# Altium PCB PCB1.PcbDoc (part 1 of 2) (continued)
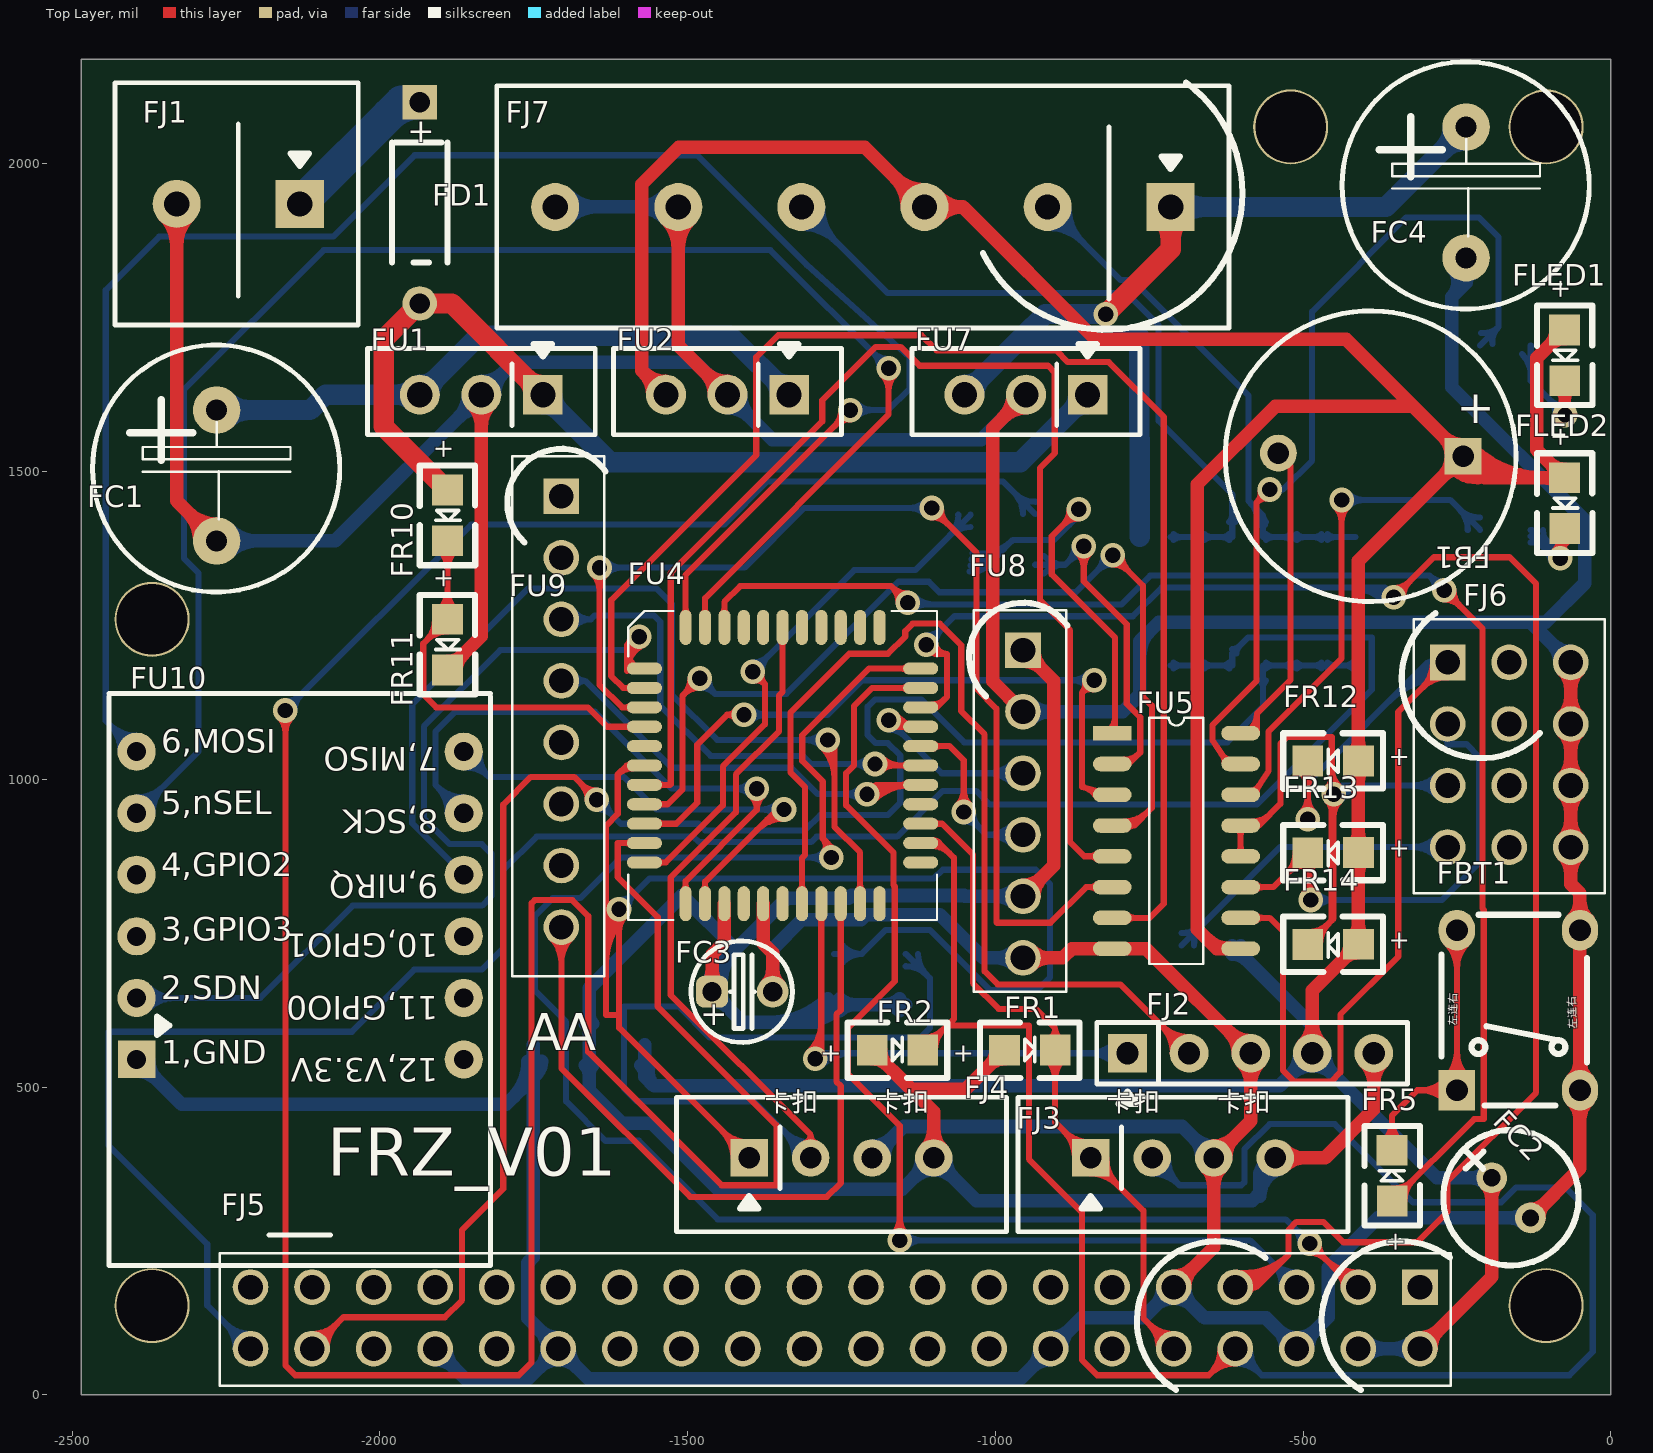
[diagram p0: Top Layer view]
## Footprints (in the part's own frame and the unit in brackets; to place one, negate y for a bottom-side part, rotate by r counter-clockwise, add the part's x,y. Pads: shape width x height; smd on the part's side, far side on the other; paste and mask are expansions set on the pad) (continued)
PI_CONNECTOR [mil] "pi3上的4"
  rect 58x58 hole 40: 1(0,0)
  round 58 hole 40: 2(100,0) 3(0,-100) 4(100,-100) 5(0,-200) 6(100,-200) 7(0,-300) 8(100,-300) 9(0,-400) 10(100,-400) 11(0,-500) 12(100,-500) 13(0,-600) 14(100,-600) 15(0,-700) 16(100,-700) 17(0,-800) 18(100,-800) 19(0,-900) 20(100,-900) 21(0,-1000) 22(100,-1000) 23(0,-1100) 24(100,-1100) 25(0,-1200) 26(100,-1200) 27(0,-1300) 28(100,-1300) 29(0,-1400) 30(100,-1400) 31(0,-1500) 32(100,-1500) 33(0,-1600) 34(100,-1600) 35(0,-1700) 36(100,-1700) 37(0,-1800) 38(100,-1800) 39(0,-1900) 40(100,-1900)
  silkscreen extent -75,-1950 167,50
RESIST_1 [mil]
  rect 56x56 hole 33: 1(0,0)
  round 56 hole 33: 2(0,-326.77)
  silkscreen extent -45,-260 45,-65
SENSOR6PIN [mil] "6Õë´"
  rect 58x58 hole 40: 1(0,0)
  round 58 hole 40: 2(100,0) 3(200,0) 4(300,0) 5(400,0) 6(500,0)
  silkscreen extent -77,-88 555,72
SENSOR8PIN [mil] "8Õë´"
  rect 58x58 hole 40: 1(-500,0)
  round 58 hole 40: 2(-400,0) 3(-300,0) 4(-200,0) 5(-100,0) 6(0,0) 7(100,0) 8(200,0)
  silkscreen extent -577,-88 280,72
SOP16_SHORT [mm]
  rect 1.6x0.6 smd: 1(0,0)
  oval 1.6x0.6 smd: 2(0,-1.27) 3(0,-2.54) 4(0,-3.81) 5(0,-5.08) 6(0,-6.35) 7(0,-7.62) 8(0,-8.89) 9(5.3,-8.89) 10(5.3,-7.62) 11(5.3,-6.35) 12(5.3,-5.08) 13(5.3,-3.81) 14(5.3,-2.54) 15(5.3,-1.27) 16(5.3,0)
  silkscreen extent 1.54,-9.53 3.76,0.64
SOT223_4N_1 [mm]
  rect 2.4x1 smd: 1(-2.9,2.3) 2(-2.9,0) 3(-2.9,-2.3)
  rect 2.4x3.3 smd: 4(2.9,0)
  silkscreen extent -3.02,-3.35 1.4,3.47, body extent -1.85,-3.35 1.85,3.35, height 1.8
TO220_1 [mil]
  rect 64x64 hole 41: 1(0,0)
  round 65 hole 41: 2(100,0) 3(200,0)
  silkscreen extent -85,-82 285,65
XH_P4 [mm]
  rect 1.55x1.55 hole 0.889: 1(0,0)
  round 1.55 hole 0.889: 2(2.54,0) 4(7.62,0)
  round 1.55 hole 0.864: 3(5.08,0)
  silkscreen extent -3,-3.05 10.62,2.5
ZY4463_01 [mil]
  rect 61x61 hole 31: 1(500,0)
  round 62 hole 31: 2(400,0) 3(300,0) 4(200,0) 5(100,0) 6(0,0) 7(0,531.5) 8(100,531.5) 9(200,531.5) 10(300,531.5) 11(400,531.5) 12(500,531.5)
  silkscreen extent -94,-45 835,575

## Part data
FB1: library part CON2, "Connec"
FBT1: library part HEADER
FJ1 FJ3 FJ4: library part C
FJ2: library part CON5
FJ5: library part PI_CONNECTOR
FJ7: library part PORT
FU1 FU2 FU7: library part CON3
FU3: library part CON3, "Connec"
FU5 FU6: library part DI
FU10: library part CO, "Connector"

## Free pads (board coordinates)
  round 122 hole 115: 0(-2370,145) 0(-2370,1260) 0(-520,2060) 0(-105,145) 0(-105,2060)

## Via types
v1: diameter 40, hole 25, Top Layer to Bottom Layer, 38 vias

## Nets (pads, with @x,y where several pads share a name; then routed paths per layer and width w, separated by ;. In a path a pad name is that pad's centre, name@x,y a point inside that pad or via, vN(x,y) a via of type N, cw(c..) or ccw(c..) an arc to the next point about the centre after c; other vN are vias at no path point)
NetFB1_1: FB1.1 FC2.1 FJ2.4 FJ5.2 FJ5.4 FJ7.3 FLED1.1 FLED2.1 FR12.1 FR13.1 FR14.1 FR15.1 FU2.3 FU3.3 FU5.9 | length 8873
  Top Layer w22: FU2.3@-1556.5,1625 ccw(c-1608.41,1625) -1571.7,1661.7 ccw(c-1535,1698.41) FU2.3@-1535,1646.5 ; FU2.3@-1535,1625 -1574.29,1664.29 -1574.29,1966.99 -1514.29,2026.99 -1211.99,2026.99 FJ7.3@-1115,1930 -1052.51,1930 ; FJ7.3@-1143,1930 ccw(c-1210.6,1930) -1162.8,1977.8 ccw(c-1115,2025.6) FJ7.3@-1115,1958 ; FJ7.3@-1094.1,1911.36 cw(c-1052.51,1874.27) -1052.51,1930 ; FJ7.3@-1094.1,1948.64 ccw(c-1052.51,1985.73) -1052.51,1930 ; -655.32,740.02 ccw(c-621.02,774.31) FU5.9@-621.02,725.81 ; FU5.9@-601.34,725 -640.3,725 -671.83,756.53 -671.83,1479.45 -545.29,1605.99 -320.99,1605.99 ; FJ2.4@-499.5,569.5 ccw(c-534.49,604.49) -485,604.49 ccw(c-435.51,604.49) FJ2.4@-470.5,569.5 ; FJ2.4@-485,555 -485,657 FR14.1@-410,732 FR13.1@-410,881 FR12.1@-410,1030 -410,1355 FB1.1@-240,1525 ; FR14.1@-424,732 cw(c-457.8,732) -433.9,708.1 cw(c-410,684.2) FR14.1@-410,718 ; FR14.1@-419.9,741.9 ccw(c-443.8,765.8) -410,765.8 ccw(c-376.2,765.8) FR14.1@-400.1,741.9 ; FR13.1@-419.9,871.1 cw(c-443.8,847.2) -410,847.2 cw(c-376.2,847.2) FR13.1@-400.1,871.1 ; FR13.1@-419.9,890.9 ccw(c-443.8,914.8) -410,914.8 ccw(c-376.2,914.8) FR13.1@-400.1,890.9 ; FR12.1@-419.9,1020.1 cw(c-443.8,996.2) -410,996.2 cw(c-376.2,996.2) FR12.1@-400.1,1020.1 ; FR12.1@-419.9,1039.9 ccw(c-443.8,1063.8) -410,1063.8 ccw(c-376.2,1063.8) FR12.1@-400.1,1039.9 ; FJ5.2@-310,75 -193.4,191.6 FC2.1@-193.4,352.67 ; FJ5.2@-310,93 ccw(c-310,136.46) -279.27,105.73 ccw(c-248.54,75) FJ5.2@-292,75 ; FB1.1@-257.68,1507.32 ccw(c-215.86,1549.14) -215.86,1490 ; FB1.1@-242.12,1522.88 ccw(c-162.75,1602.25) -162.75,1490 ; FB1.1@-240,1544 cw(c-240,1589.87) -272.44,1557.44 cw(c-304.87,1525) -259,1525 cw(c-304.87,1525) -272.44,1492.56 cw(c-240,1460.13) -240,1506 cw(c-240,1460.13) -207.56,1492.56 cw(c-175.13,1525) FB1.1@-221,1525 ; FB1.1@-226.56,1538.44 ccw(c-109.63,1655.37) -109.63,1490 ; FC2.1@-203.3,342.77 cw(c-227.2,318.87) -193.4,318.87 cw(c-159.6,318.87) FC2.1@-183.5,342.77 ; FLED2.1@-89,1490 ccw(c-122.8,1490) -98.9,1513.9 ccw(c-75,1537.8) FLED2.1@-75,1504 ; FLED1.1@-89,1730 cw(c-122.8,1730) -98.9,1706.1 cw(c-75,1682.2) FLED1.1@-75,1716 ; FLED2.1@-84.9,1480.1 ccw(c-108.8,1456.2) -108.8,1490 ccw(c-108.8,1523.8) FLED2.1@-84.9,1499.9 ; FLED1.1@-75,1730 -120.29,1684.71 -120.29,1535.29 FLED2.1@-75,1490 -205,1490 FB1.1@-240,1525 ; -1052.51,1930 -837.54,1715.04 -430.04,1715.04 -320.99,1605.99 ; -320.99,1605.99 FB1.1@-240,1525
  Bottom Layer w22: FU3.3@-1575.59,535.48 cw(c-1590.42,520.65) -1569.45,520.65 cw(c-1548.48,520.65) FU3.3@-1563.31,535.48 ; FU3.3@-1569.45,569.18 -1569.45,517.15 -1554.29,501.99 ; FU3.3@-1561.44,538.26 ccw(c-1530.83,525.45) -1554.29,501.99 ; FR15.1@-615,716 cw(c-615,682.2) -591.1,706.1 cw(c-567.2,730) FR15.1@-601,730 ; FR15.1@-615,730 -485,600 ; FJ2.4@-505.5,555 cw(c-554.99,555) -520,520 cw(c-485,485.01) -485,534.5 cw(c-485,485.01) -450,520 cw(c-415.01,555) FJ2.4@-464.5,555 ; FJ2.4@-498.45,570.47 ccw(c-524.14,600) -485,600 ; FJ2.4@-471.55,570.47 cw(c-445.86,600) -485,600 ; FJ5.4@-410,75 FJ5.2@-310,75 ; FJ5.4@-397.27,62.27 cw(c-366.54,31.54) -366.54,75 cw(c-366.54,118.46) FJ5.4@-397.27,87.73 ; FJ5.2@-322.73,62.27 ccw(c-353.46,31.54) -353.46,75 ccw(c-353.46,118.46) FJ5.2@-322.73,87.73 ; FC2.1@-203.3,342.77 ccw(c-227.2,318.87) -227.2,352.67 ccw(c-227.2,386.46) FC2.1@-203.3,362.57 ; FC2.1@-193.4,352.67 -282.67,352.67 FJ2.4@-485,555 ; -1554.29,501.99 -538.01,501.99 FJ2.4@-485,555 ; FJ2.4@-485,555 -485,600
NetFB1_2: FB1.2 FU5.16 | length 554.2
  Top Layer w10: FU5.16@-601.34,1075 -574.84,1075 -574.84,1106.99 ; FU5.16@-586.37,1079.91 ccw(c-612.4,1106.99) -574.84,1106.99 ; FB1.2@-540,1530.12 -540,1509.44 -520.29,1509.44 -520.29,1161.54 -574.84,1106.99
NetFBT1_1: FBT1.1 FBT1.3 FR5.2 | length 959.1
  Top Layer w10: FR5.2@-369.34,411.44 ccw(c-403.48,445.58) -355.2,445.58 ccw(c-306.92,445.58) FR5.2@-341.06,411.44 ; FR5.2@-355.2,397.3 -355.2,454.09 -314.29,495 FBT1.1@-250,495 FBT1.3@-250,755 ; FBT1.1@-267.34,477.66 ccw(c-309.21,435.79) -309.21,495 ccw(c-309.21,554.21) FBT1.1@-267.34,512.34 ; FBT1.1@-267.34,515.82 ccw(c-309.21,557.69) -250,557.69 ccw(c-190.79,557.69) FBT1.1@-232.66,515.82 ; FBT1.3@-267.34,734.18 cw(c-309.21,692.31) -250,692.31 cw(c-190.79,692.31) FBT1.3@-232.66,734.18 ; FBT1.1@-260.27,484.73 ccw(c-285.07,459.93) -285.07,495 ccw(c-285.07,530.07) FBT1.1@-260.27,505.27 ; FBT1.1@-260.27,508.74 ccw(c-285.07,533.54) -250,533.54 ccw(c-214.93,533.54) FBT1.1@-239.73,508.74 ; FBT1.3@-260.27,741.26 cw(c-285.07,716.46) -250,716.46 cw(c-214.93,716.46) FBT1.3@-239.73,741.26
NetFBT1_2: FBT1.2 FBT1.4 FC1.2 FC2.2 FC3.2 FC4.2 FJ1.2 FJ2.3 FJ3.3 FJ4.3 FJ5.6 FJ5.9 FJ5.14 FJ5.30 FJ5.34 FJ6.3 FJ6.6 FJ6.9 FJ6.12 FJ7.5 FJ7.6 FR11.2 FU1.2 FU2.2 FU3.1 FU4.16 FU5.8 FU6.8 FU7.2 FU8.2 FU8.6 FU10.1 | length 15975
  Top Layer w22: FJ1.2@-2349.8,1915.2 cw(c-2397.6,1867.4) -2330,1867.4 cw(c-2262.4,1867.4) FJ1.2@-2310.2,1915.2 ; FJ1.2@-2330,1935 -2330,1452.4 FC1.2@-2265,1387.4 ; FC1.2@-2292.5,1387.4 ccw(c-2358.89,1387.4) -2311.95,1434.35 ccw(c-2265,1481.29) FC1.2@-2265,1414.9 ; FR11.2@-1889.8,1177.7 -1835,1232.5 FU1.2@-1835,1625 ; FR11.2@-1889.8,1191.7 ccw(c-1889.8,1225.5) -1865.9,1201.6 ccw(c-1842,1177.7) FR11.2@-1875.8,1177.7 ; FU1.2@-1850.2,1609.8 cw(c-1886.91,1573.09) -1835,1573.09 cw(c-1783.09,1573.09) FU1.2@-1819.8,1609.8 ; FJ7.5@-1534.8,1910.2 cw(c-1582.6,1862.4) -1515,1862.4 cw(c-1447.4,1862.4) FJ7.5@-1495.2,1910.2 ; FJ7.5@-1515,1930 -1515,1705 FU2.2@-1435,1625 ; FU2.2@-1456.5,1625 ccw(c-1508.41,1625) -1471.7,1661.7 ccw(c-1435,1698.41) FU2.2@-1435,1646.5 ; FU4.16@-1377.09,798.11 -1377.09,733.5 -1361.57,717.99 FC3.2@-1361.57,655 ; FC3.2@-1372.18,665.61 ccw(c-1397.79,691.21) -1361.57,691.21 ccw(c-1325.36,691.21) FC3.2@-1350.97,665.61 ; FU7.2@-971.5,1625 cw(c-1023.41,1625) -986.7,1588.3 cw(c-950,1551.59) FU7.2@-950,1603.5 ; FU8.6@-955,710 -890.29,710 -875.29,725 FU5.8@-810,725 -755,725 FJ2.3@-585,555 -585,445 FJ3.3@-645,385 -645,240 FJ5.9@-710,175 ; FU8.2@-955,1110 -1004.29,1159.29 -1004.29,1570.71 FU7.2@-950,1625 ; FU8.6@-942.27,697.27 cw(c-911.54,666.54) -911.54,710 cw(c-911.54,753.46) FU8.6@-942.27,722.73 ; FJ5.9@-710,193 ccw(c-710,236.46) -679.27,205.73 ccw(c-648.54,175) FJ5.9@-692,175 ; FJ3.3@-658.8,371.2 cw(c-692.11,337.89) -645,337.89 cw(c-597.89,337.89) FJ3.3@-631.2,371.2 ; FJ3.3@-645,404.51 ccw(c-645,451.62) -611.69,418.31 ccw(c-578.38,385) FJ3.3@-625.49,385 ; FJ2.3@-605.5,555 ccw(c-654.99,555) -620,590 ccw(c-585,624.99) FJ2.3@-585,575.5 ; FJ2.3@-599.5,540.5 cw(c-634.49,505.51) -585,505.51 cw(c-535.51,505.51) FJ2.3@-570.5,540.5 ; FC2.2@-130.5,287.53 -50,368.03 FBT1.2@-50,495 FBT1.4@-50,755 -50,814.99 -65,829.99 FJ6.12@-65,890 FJ6.9@-65,990 FJ6.6@-65,1090 FJ6.3@-65,1190 ; FC2.2@-130.5,301.53 ccw(c-130.5,335.33) -106.6,311.43 ccw(c-82.7,287.53) FC2.2@-116.5,287.53 ; FJ6.12@-77.73,877.27 cw(c-108.46,846.54) -65,846.54 cw(c-21.54,846.54) FJ6.12@-52.27,877.27 ; FJ6.12@-77.73,902.73 ccw(c-108.46,933.46) -65,933.46 ccw(c-21.54,933.46) FJ6.12@-52.27,902.73 ; FJ6.9@-77.73,977.27 cw(c-108.46,946.54) -65,946.54 cw(c-21.54,946.54) FJ6.9@-52.27,977.27 ; FJ6.9@-77.73,1002.73 ccw(c-108.46,1033.46) -65,1033.46 ccw(c-21.54,1033.46) FJ6.9@-52.27,1002.73 ; FJ6.6@-77.73,1077.27 cw(c-108.46,1046.54) -65,1046.54 cw(c-21.54,1046.54) FJ6.6@-52.27,1077.27 ; FJ6.6@-77.73,1102.73 ccw(c-108.46,1133.46) -65,1133.46 ccw(c-21.54,1133.46) FJ6.6@-52.27,1102.73 ; FJ6.3@-77.73,1177.27 cw(c-108.46,1146.54) -65,1146.54 cw(c-21.54,1146.54) FJ6.3@-52.27,1177.27 ; FBT1.2@-63.1,478.43 cw(c-94.73,446.8) -50,446.8 cw(c-5.27,446.8) FBT1.2@-36.9,478.43 ; FBT1.2@-63.1,511.57 ccw(c-94.73,543.2) -50,543.2 ccw(c-5.27,543.2) FBT1.2@-36.9,511.57 ; FBT1.4@-63.1,771.57 ccw(c-94.73,803.2) -50,803.2 ccw(c-5.27,803.2) FBT1.4@-36.9,771.57
  Bottom Layer w22: FU10.1@-2395,525.5 cw(c-2395,478.42) -2361.71,511.71 cw(c-2328.42,545) FU10.1@-2375.5,545 ; FU10.1@-2395,545 -2321.99,471.99 -1794.29,471.99 -1750.55,515.73 ; FC1.2@-2265,1387.4 -2072.6,1387.4 FU1.2@-1835,1625 -1782.01,1677.99 -1487.99,1677.99 FU2.2@-1435,1625 -1361.96,1551.96 -1023.04,1551.96 FU7.2@-950,1625 ; FC1.2@-2245.55,1367.96 cw(c-2198.61,1321.01) -2198.61,1387.4 cw(c-2198.61,1453.79) FC1.2@-2245.55,1406.85 ; FJ5.34@-1910,57 cw(c-1910,13.54) -1879.27,44.27 cw(c-1848.54,75) FJ5.34@-1892,75 ; FJ5.34@-1910,75 -1860.99,25.99 -1759.01,25.99 FJ5.30@-1710,75 ; FU1.2@-1856.5,1625 cw(c-1908.41,1625) -1871.7,1588.3 cw(c-1835,1551.59) FU1.2@-1835,1603.5 ; FU1.2@-1835,1646.5 ccw(c-1835,1698.41) -1798.3,1661.7 ccw(c-1761.59,1625) FU1.2@-1813.5,1625 ; -1783.68,482.61 ccw(c-1842.68,541.61) FU3.1@-1759.24,541.61 ; FU3.1@-1750.55,569.17 -1750.55,515.73 ; -1746.12,520.16 ccw(c-1767.57,541.61) FU3.1@-1737.24,541.61 ; FJ7.6@-1715,1930 FJ7.5@-1515,1930 ; FJ5.30@-1710,93 cw(c-1710,136.46) -1740.73,105.73 cw(c-1771.46,75) -1728,75 cw(c-1771.46,75) -1740.73,44.27 cw(c-1710,13.54) -1710,57 cw(c-1710,13.54) -1679.27,44.27 cw(c-1648.54,75) FJ5.30@-1692,75 ; FJ7.6@-1695.2,1910.2 cw(c-1647.4,1862.4) -1647.4,1930 cw(c-1647.4,1997.6) FJ7.6@-1695.2,1949.8 ; FJ7.5@-1534.8,1910.2 ccw(c-1582.6,1862.4) -1582.6,1930 ccw(c-1582.6,1997.6) FJ7.5@-1534.8,1949.8 ; FU2.2@-1456.5,1625 ccw(c-1508.41,1625) -1471.7,1661.7 ccw(c-1435,1698.41) FU2.2@-1435,1646.5 ; FU2.2@-1435,1603.5 cw(c-1435,1551.59) -1398.3,1588.3 cw(c-1361.59,1625) FU2.2@-1413.5,1625 ; FC3.2@-1372.18,665.61 ccw(c-1397.79,691.21) -1361.57,691.21 ccw(c-1325.36,691.21) FC3.2@-1350.97,665.61 ; FC3.2@-1361.57,655 -1361.57,724.43 -1314.29,771.71 -1218.1,771.71 -1209.51,780.3 -1090.1,780.3 -1019.8,710 FU8.6@-955,710 ; FJ4.3@-1200,385 -1149.01,435.99 -695.99,435.99 FJ3.3@-645,385 ; FJ4.3@-1200,404.51 ccw(c-1200,451.62) -1166.69,418.31 ccw(c-1133.38,385) FJ4.3@-1180.49,385 ; FU7.2@-971.5,1625 cw(c-1023.41,1625) -986.7,1588.3 cw(c-950,1551.59) FU7.2@-950,1603.5 ; FU8.6@-967.73,697.27 ccw(c-998.46,666.54) -998.46,710 ccw(c-998.46,753.46) FU8.6@-967.73,722.73 ; FU8.2@-955,1110 -792.99,1110 -765,1137.99 FU6.8@-765,1185 -765,1224.79 -734.29,1255.5 -130.5,1255.5 ; FU8.2@-942.27,1097.27 cw(c-911.54,1066.54) -911.54,1110 cw(c-911.54,1153.46) FU8.2@-942.27,1122.73 ; FJ5.14@-928,75 cw(c-971.46,75) -940.73,44.27 cw(c-910,13.54) FJ5.14@-910,57 ; FJ5.14@-910,93 ccw(c-910,136.46) -879.27,105.73 ccw(c-848.54,75) FJ5.14@-892,75 ; FU6.8@-764.19,1204.69 cw(c-713.69,1204.69) -749.4,1240.39 ; FJ5.9@-728,175 cw(c-771.46,175) -740.73,144.27 cw(c-710,113.54) -710,157 cw(c-710,113.54) -679.27,144.27 cw(c-648.54,175) FJ5.9@-692,175 ; FJ3.3@-664.51,385 ccw(c-711.62,385) -678.31,418.31 ccw(c-645,451.62) FJ3.3@-645,404.51 ; FJ5.6@-528,75 ccw(c-571.46,75) -540.73,105.73 ccw(c-510,136.46) -510,93 ccw(c-510,136.46) -479.27,105.73 ccw(c-448.54,75) FJ5.6@-492,75 ; FC4.2@-256.16,1829.83 cw(c-282.53,1807.94) -258.29,1783.7 ; FC4.2@-245.09,1821.82 cw(c-250.94,1806.99) -235,1806.99 ; -241.23,1800.77 ccw(c-263.88,1823.42) FC4.2@-239.23,1843.89 ; FC4.2@-235,1847.4 -235,1806.99 ; FC4.2@-224.91,1821.82 ccw(c-219.06,1806.99) -235,1806.99 ; FC2.2@-140.4,277.63 ccw(c-164.3,253.73) -164.3,287.53 ccw(c-164.3,321.33) FC2.2@-140.4,297.43 ; FC2.2@-130.5,287.53 -378.37,287.53 -459.01,206.89 -459.01,125.99 FJ5.6@-510,75 -559.99,124.99 -659.99,124.99 FJ5.9@-710,175 -760.01,124.99 -860.01,124.99 FJ5.14@-910,75 -959.01,25.99 -1660.99,25.99 FJ5.30@-1710,75 ; FJ6.3@-83,1190 ccw(c-126.46,1190) -95.73,1220.73 ccw(c-65,1251.46) FJ6.3@-65,1208 ; FJ6.3@-65,1190 -130.5,1255.5 ; FU3.1@-1756.69,535.47 cw(c-1771.52,520.65) -1750.55,520.65 ; FU3.1@-1756.69,535.47 cw(c-1771.52,520.65) -1750.55,520.65 ; FU3.1@-1756.69,535.47 cw(c-1771.52,520.65) -1750.55,520.65 ; -1750.55,515.73 -1750.55,223.73 -1759.29,214.99 -1759.29,124.29 FJ5.30@-1710,75 ; -1750.55,520.65 cw(c-1729.58,520.65) FU3.1@-1744.41,535.47 ; -1750.55,520.65 cw(c-1729.58,520.65) FU3.1@-1744.41,535.47 ; -1750.55,520.65 cw(c-1729.58,520.65) FU3.1@-1744.41,535.47 ; -258.29,1783.7 -258.29,1636.99 -42,1420.7 -42,1318.99 -105.49,1255.5 -130.5,1255.5 ; -258.29,1783.7 -235,1806.99
NetFC1_1: FC1.1 FU1.3 FU2.1 | length 1283.4
  Bottom Layer w33: FC1.1@-2265,1600 -2113.29,1600 -2088.29,1625 FU1.3@-1935,1625 -1839.01,1720.99 -1430.99,1720.99 FU2.1@-1335,1625 ; FC1.1@-2249.44,1584.44 cw(c-2211.89,1546.89) -2211.89,1600 cw(c-2211.89,1653.11) FC1.1@-2249.44,1615.56 ; FU1.3@-1946.31,1613.69 ccw(c-1973.63,1586.37) -1973.63,1625 ccw(c-1973.63,1663.63) FU1.3@-1946.31,1636.31 ; FU1.3@-1935,1641 ccw(c-1935,1679.63) -1907.69,1652.31 ccw(c-1880.37,1625) FU1.3@-1919,1625 ; FU2.1@-1350.5,1625 ccw(c-1387.92,1625) -1361.46,1651.46 ccw(c-1335,1677.92) FU2.1@-1335,1640.5
NetFC3_1: FC3.1 FJ2.5 FJ3.4 FJ4.4 FR1.1 FR2.1 FR6.1 FR7.1 FU3.2 FU4.14 FU8.1 FU8.5 | length 5435.2
  Top Layer w22: FC3.1@-1470.61,665.61 ccw(c-1496.21,691.21) -1460,691.21 ccw(c-1423.79,691.21) FC3.1@-1449.39,665.61 ; FC3.1@-1460,655 -1460,715.99 -1440.08,735.91 FU4.14@-1440.08,798.11 ; FR2.1@-1200,546 cw(c-1200,512.2) -1176.1,536.1 cw(c-1152.2,560) FR2.1@-1186,560 ; FR2.1@-1200,560 -1136.2,496.2 ; FJ4.4@-1113.8,398.8 ccw(c-1147.11,432.11) -1100,432.11 ccw(c-1052.89,432.11) FJ4.4@-1086.2,398.8 ; FJ4.4@-1100,385 -1100,460 -1136.2,496.2 ; FR1.1@-999,560 cw(c-1032.8,560) -1008.9,536.1 cw(c-985,512.2) FR1.1@-985,546 ; FR1.1@-985,560 -1048.8,496.2 -1136.2,496.2 ; FU8.5@-955,810 -905.29,859.71 -905.29,1160.29 FU8.1@-955,1210 ; FU8.5@-955,828 ccw(c-955,871.46) -924.27,840.73 ccw(c-893.54,810) FU8.5@-937,810 ; FU8.1@-955,1192 cw(c-955,1148.54) -924.27,1179.27 cw(c-893.54,1210) FU8.1@-937,1210 ; FJ3.4@-545,385 -464.28,385 -385,464.28 FJ2.5@-385,555 ; FJ3.4@-531.2,371.2 cw(c-497.89,337.89) -497.89,385 cw(c-497.89,432.11) FJ3.4@-531.2,398.8 ; FJ2.5@-399.5,540.5 cw(c-434.49,505.51) -385,505.51 cw(c-335.51,505.51) FJ2.5@-370.5,540.5
  Bottom Layer w22: FU3.2@-1666.14,535.48 cw(c-1680.97,520.65) -1660,520.65 cw(c-1639.03,520.65) FU3.2@-1653.86,535.48 ; FU3.2@-1666.14,602.88 ccw(c-1680.97,617.7) -1660,617.7 ccw(c-1639.03,617.7) FU3.2@-1653.86,602.88 ; FC3.1@-1469.3,666.77 ccw(c-1484.48,685.97) -1460,685.97 ; FC3.1@-1466.95,654.16 cw(c-1421.32,659.66) -1453.82,692.16 ; FC3.1@-1460,640 cw(c-1460,603.79) -1434.39,629.39 cw(c-1408.79,655) FC3.1@-1445,655 ; FC3.1@-1450.7,666.77 cw(c-1435.52,685.97) -1460,685.97 ; FC3.1@-1445.11,656.79 cw(c-1364.22,666.53) -1421.83,724.14 ; -1364.8,605.58 ccw(c-1364.8,736.43) FR6.1@-1272.27,643.9 ; -1311.69,605.58 ccw(c-1311.69,683.31) FR6.1@-1256.72,628.35 ; FR6.1@-1276.37,634 cw(c-1310.17,634) -1286.27,610.1 cw(c-1262.37,586.2) FR6.1@-1262.37,620 ; FR6.1@-1252.47,624.1 cw(c-1228.58,600.2) -1228.58,634 cw(c-1228.58,667.8) FR6.1@-1252.47,643.9 ; FR7.1@-1155.61,624.1 ccw(c-1179.51,600.2) -1179.51,634 ccw(c-1179.51,667.8) FR7.1@-1155.61,643.9 ; FR7.1@-1145.71,634 FR6.1@-1262.37,634 -1290.8,605.58 -1410.58,605.58 FC3.1@-1460,655 -1460,685.97 ; FJ4.4@-1119.51,385 cw(c-1166.62,385) -1133.31,351.69 cw(c-1100,318.38) -1100,365.49 cw(c-1100,318.38) -1066.69,351.69 cw(c-1033.38,385) FJ4.4@-1080.49,385 ; FU8.5@-967.73,797.27 ccw(c-998.46,766.54) -998.46,810 ccw(c-998.46,853.46) FU8.5@-967.73,822.73 ; FU8.5@-955,810 -1049.21,810 -1050.51,811.3 -1233.75,811.3 -1238.41,806.64 -1339.34,806.64 -1421.83,724.15 ; -570,322.75 cw(c-523.73,322.75) FJ3.4@-538.69,366.54 ; -570,353.52 cw(c-534.24,353.52) FJ3.4@-545.8,387.35 ; FJ3.4@-545,385 -570,360 -570,327.99 -582.5,315.49 -1030.49,315.49 FJ4.4@-1100,385 -1151.01,333.99 -1450.51,333.99 -1557.51,440.99 -1606,440.99 -1660,494.99 FU3.2@-1660,569.18 -1660,660.28 -1508.98,811.3 -1421.83,724.15 ; -1460,685.97 -1421.83,724.15
NetFC4_1: FC4.1 FJ7.1 FU6.9 FU7.3 | length 1865.5
  Top Layer w33: v1(-820.29,1755.99) -715,1861.28 FJ7.1@-715,1930 ; FJ7.1@-730.91,1914.09 cw(c-769.32,1875.68) -715,1875.68 cw(c-660.68,1875.68) FJ7.1@-699.09,1914.09
  Bottom Layer w33: FU7.3@-1050,1625 -956.01,1718.99 ; FU7.3@-1050,1641 ccw(c-1050,1679.63) -1022.69,1652.31 ccw(c-995.37,1625) FU7.3@-1034,1625 ; v1(-820.29,1755.99) -919.01,1755.99 -956.01,1718.99 ; FU6.9@-765,1393.66 -766,1718.99 -956.01,1718.99 ; FJ7.1@-715,1930 -365,1930 FC4.1@-235,2060 ; FJ7.1@-699.09,1914.09 cw(c-660.68,1875.68) -660.68,1930 cw(c-660.68,1984.32) FJ7.1@-699.09,1945.91 ; FC4.1@-257,2060 cw(c-310.11,2060) -272.56,2022.44 cw(c-235,1984.89) FC4.1@-235,2038
NetFD1_A: FD1.1 FJ1.1 | length 321.2
  Bottom Layer w55: FJ1.1@-2130,1935 -1965,2100 FD1.1@-1935,2100 ; -1987.07,2077.93 cw(c-1935,2025.87) FD1.1@-1935,2099.5
NetFD1_K: FD1.2 FR10.1 FU1.1 FU7.1 | length 1783.6
  Top Layer w33: FR10.1@-1890,1470 -1993.29,1573.29 -1993.29,1714.94 FD1.2@-1935,1773.23 -1883.23,1773.23 FU1.1@-1735,1625 ; FU1.1@-1750.5,1625 ccw(c-1787.92,1625) -1761.46,1651.46 ccw(c-1735,1677.92) FU1.1@-1735,1640.5
  Bottom Layer w33: FU1.1@-1735,1609.5 cw(c-1735,1572.08) -1708.54,1598.54 cw(c-1682.08,1625) FU1.1@-1719.5,1625 ; FU1.1@-1735,1625 -1625.46,1515.46 -959.54,1515.46 FU7.1@-850,1625 ; FU7.1@-865.5,1625 cw(c-902.92,1625) -876.46,1598.54 cw(c-850,1572.08) FU7.1@-850,1609.5
NetFJ2_1: FJ2.1 FU4.19 | length 1124.7
  Top Layer w10: v1@-1302.9,556.6 ccw(c-1351.91,605.61) -1282.6,605.61 ; v1@-1295.83,549.53 ccw(c-1327.77,581.47) -1282.6,581.47 ; v1(-1292.29,545.99) -1282.6,555.69 FU4.19@-1282.6,798.11 ; FU4.19@-1286.02,775.99 cw(c-1294.29,767.72) -1282.6,767.72 cw(c-1270.91,767.72) FU4.19@-1279.17,775.99
  Bottom Layer w10: v1(-1292.29,545.99) -1283.28,555 FJ2.1@-785,555 ; v1@-1288.76,542.46 cw(c-1258.47,512.17) -1258.47,555 ; v1@-1281.69,535.39 cw(c-1234.33,488.03) -1234.33,555 ; FJ2.1@-803.74,536.26 ccw(c-848.98,491.02) -848.98,555 ccw(c-848.98,618.98) FJ2.1@-803.74,573.74 ; FJ2.1@-796.67,543.33 ccw(c-824.83,515.17) -824.83,555 ccw(c-824.83,594.83) FJ2.1@-796.67,566.67
NetFJ2_2: FJ2.2 FU4.18 | length 1793.6
  Top Layer w10: FU4.18@-1317.52,820.23 ccw(c-1325.78,828.5) -1314.09,828.5 ccw(c-1302.4,828.5) FU4.18@-1310.67,820.23 ; FU4.18@-1314.09,798.11 -1314.09,872.19 -1309.29,876.99 -1309.29,987.68 -1332.61,1010.99 -1332.61,1108.68 -1237.29,1203.99 -1174.29,1203.99 -1146.29,1231.99 -1146.29,1240.99 -1134.29,1252.99 -1090.29,1252.99 -1055.29,1217.99 -1055.29,1110.99 -1017.29,1072.99 -1017.29,687.99 -996.29,666.99 -796.99,666.99 FJ2.2@-685,555 ; FJ2.2@-711.5,555 ccw(c-775.48,555) -730.24,600.24 ccw(c-685,645.48) FJ2.2@-685,581.5 ; FJ2.2@-701.5,555 ccw(c-741.33,555) -713.17,583.17 ccw(c-685,611.33) FJ2.2@-685,571.5
NetFJ3_1: FJ3.1 FJ5.10 FR1.2 FU4.25 | length 1671.7
  Top Layer w10: FU4.25@-1121.18,928.03 -1086.33,928.03 -1036.29,877.99 -1036.29,668.98 -994.29,626.98 -934.28,626.98 -902.7,595.4 ; FU4.25@-1099.06,924.61 cw(c-1090.79,916.34) -1090.79,928.03 cw(c-1090.79,939.72) FU4.25@-1099.06,931.46 ; FR1.2@-916.84,546.06 cw(c-950.98,511.92) -902.7,511.92 cw(c-854.42,511.92) FR1.2@-888.56,546.06 ; FR1.2@-912.94,577.38 ccw(c-923.67,595.4) -902.7,595.4 ; FR1.2@-892.46,577.38 cw(c-881.73,595.4) -902.7,595.4 ; FJ3.1@-870.51,385 ccw(c-932.1,385) -888.55,428.55 ccw(c-845,472.1) FJ3.1@-845,410.51 ; FJ3.1@-860.51,385 ccw(c-897.96,385) -871.48,411.48 ccw(c-845,437.96) FJ3.1@-845,400.51 ; FJ3.1@-845,359.49 cw(c-845,297.9) -801.45,341.45 cw(c-757.9,385) FJ3.1@-819.49,385 ; FJ3.1@-845,369.49 cw(c-845,332.04) -818.52,358.52 cw(c-792.04,385) FJ3.1@-829.49,385 ; FJ5.10@-734,75 ccw(c-791.94,75) -750.97,115.97 ccw(c-710,156.94) FJ5.10@-710,99 ; FJ5.10@-724,75 ccw(c-757.8,75) -733.9,98.9 ccw(c-710,122.8) FJ5.10@-710,89 ; FJ5.10@-710,75 -759.29,124.29 -759.29,299.29 FJ3.1@-845,385 -902.7,442.7 FR1.2@-902.7,560.2 -902.7,595.4
NetFJ3_2: FJ3.2 FJ5.8 FR2.2 FU4.24 | length 3691.9
  Top Layer w10: FU4.24@-1121.18,896.54 -1090.79,896.54 ; FR2.2@-1117.7,560.2 -1077.91,599.99 ; FR2.2@-1117.7,580.2 ccw(c-1117.7,628.48) -1083.56,594.34 ccw(c-1049.42,560.2) FR2.2@-1097.7,560.2 ; FU4.24@-1102.48,891.69 cw(c-1102.48,851.79) -1074.26,880.01 ; FU4.24@-1102.48,901.69 cw(c-1102.48,885.93) -1091.33,897.08 ; FU4.24@-1099.05,893.11 cw(c-1090.79,884.86) -1090.79,896.54 ; FU4.24@-1099.05,899.96 ccw(c-1090.79,908.22) -1090.79,896.54 ; FJ5.8@-634,75 cw(c-691.94,75) -650.97,34.03 cw(c-610,-6.94) FJ5.8@-610,51 ; FJ5.8@-624,75 cw(c-657.8,75) -633.9,51.1 cw(c-610,27.2) FJ5.8@-610,61 ; FJ5.8@-610,75 -653.01,31.99 -834.29,31.99 -859.29,56.99 -859.29,296.99 -945.29,382.99 -945.29,599.99 -1077.91,599.99 ; -1090.79,896.54 -1067.29,873.04 -1067.29,610.61 -1077.91,599.99
  Bottom Layer w10: FJ3.2@-745,359.49 cw(c-745,297.9) -701.45,341.45 cw(c-657.9,385) FJ3.2@-719.49,385 ; FJ3.2@-745,369.49 cw(c-745,332.04) -718.52,358.52 cw(c-692.04,385) FJ3.2@-729.49,385 ; FJ3.2@-745,385 -700.49,340.49 -600.29,340.49 -595.29,345.49 -595.29,398.99 -554.29,439.99 -448.29,439.99 -321.29,312.99 -177.92,312.99 -153.92,336.99 -74.29,336.99 -29.29,291.99 -29.29,69.99 -67.29,31.99 -566.99,31.99 FJ5.8@-610,75 ; FJ5.8@-610,51 cw(c-610,-6.94) -569.03,34.03 cw(c-528.06,75) FJ5.8@-586,75 ; FJ5.8@-610,61 cw(c-610,27.2) -586.1,51.1 cw(c-562.2,75) FJ5.8@-596,75
NetFJ4_1: FJ4.1 FR6.2 FU4.6 | length 2868.9
  Top Layer w10: -1632.29,702.08 cw(c-1524.38,702.08) -1600.69,778.39 ccw(c-1575.08,752.78) -1611.29,752.78 ccw(c-1647.51,752.78) v1@-1621.9,778.39 ; -1632.29,726.22 cw(c-1548.52,726.22) v1@-1607.76,785.46 ; -1632.29,750.36 cw(c-1572.66,750.36) v1@-1614.83,792.53 ; -1632.29,774.51 cw(c-1596.81,774.51) v1@-1621.9,799.6 ; v1(-1611.29,788.99) -1611.29,617.29 ; FU4.6@-1592.49,1019.5 ccw(c-1598.76,1014.49) -1598.76,1022.52 ; FU4.6@-1592.49,1025.54 cw(c-1598.76,1030.55) -1598.76,1022.52 ; FU4.6@-1588.85,1017.68 ccw(c-1589.87,984.57) -1613.29,1007.99 ; FU4.6@-1570,1022.52 -1598.76,1022.52 ; FJ4.1@-1425.51,385 ccw(c-1487.1,385) -1443.55,428.55 ccw(c-1400,472.1) FJ4.1@-1400,410.51 ; FJ4.1@-1415.51,385 ccw(c-1452.96,385) -1426.48,411.48 ccw(c-1400,437.96) FJ4.1@-1400,400.51 ; FJ4.1@-1400,385 -1611.29,596.29 -1611.29,617.29 ; -1613.29,1007.99 -1613.29,943.99 -1632.29,924.99 -1632.29,617.29 -1611.29,617.29 ; -1613.29,1007.99 -1598.76,1022.52
  Bottom Layer w10: v1(-1611.29,788.99) -1561.29,838.99 -1099.56,838.99 -1085.29,853.26 -934.29,853.26 -911.29,830.26 -911.29,677.99 -931.29,657.99 -1008.98,657.99 -1106.29,755.3 -1177.98,755.3 -1216.98,716.3 ; v1@-1611.29,803.99 ccw(c-1611.29,840.21) -1585.69,814.6 ccw(c-1560.08,788.99) v1@-1596.29,788.99 ; FR6.2@-1262.17,716.3 -1216.98,716.3 ; FR6.2@-1247.37,702.85 cw(c-1216.98,675.25) -1216.98,716.3 ; FR6.2@-1247.37,729.75 ccw(c-1216.98,757.36) -1216.98,716.3
NetFJ4_2: FJ4.2 FR7.2 FU4.39 | length 2459.9
  Top Layer w10: FU4.39@-1349.01,1224.81 cw(c-1357.28,1216.54) -1345.59,1216.54 cw(c-1333.9,1216.54) FU4.39@-1342.17,1224.81 ; FU4.39@-1345.59,1246.93 -1345.59,1142.01 -1351.61,1135.99 -1351.61,1077.68 -1421.29,1007.99 -1421.29,946.69 -1527.29,840.69 -1527.29,649.6 -1300,422.31 ; FJ4.2@-1309.26,408.77 ccw(c-1314.52,422.31) -1300,422.31 ; FJ4.2@-1300,385 -1300,422.31 ; FJ4.2@-1290.74,408.77 cw(c-1285.48,422.31) -1300,422.31
  Bottom Layer w10: FJ4.2@-1325.51,385 ccw(c-1387.1,385) -1343.55,428.55 ccw(c-1300,472.1) FJ4.2@-1300,410.51 ; FJ4.2@-1315.51,385 ccw(c-1352.96,385) -1326.48,411.48 ccw(c-1300,437.96) FJ4.2@-1300,400.51 ; FJ4.2@-1300,385 -1391.99,476.99 -1582.29,476.99 -1603.29,497.99 -1603.29,630.99 -1514.29,630.99 -1463.88,580.58 -1121.71,580.58 -1106.29,595.99 -1106.29,677.09 FR7.2@-1145.51,716.3 ; FR7.2@-1145.51,696.3 cw(c-1145.51,648.02) -1111.37,682.16 cw(c-1077.22,716.3) FR7.2@-1125.51,716.3
NetFJ5_3: FJ5.3 FU4.33 | length 3079.6
  Top Layer w10: v1@-1278.48,881.74 ccw(c-1292.49,891.8) -1280.29,903.99 ; -1271.96,895.66 cw(c-1282.79,884.84) v1@-1270.35,875.91 ; v1(-1266.29,872.99) -1266.29,889.99 -1280.29,903.99 ; FU4.33@-1143.3,1176.58 ccw(c-1151.57,1168.31) -1151.57,1180 ccw(c-1151.57,1191.69) FU4.33@-1143.3,1183.42 ; FU4.33@-1121.18,1180 -1205.29,1180 -1313.61,1071.69 -1313.61,1029.99 -1280.29,996.68 -1280.29,903.99 ; v1@-489.29,230.99 cw(c-489.29,194.78) -463.69,220.39 cw(c-438.08,245.99) v1@-474.29,245.99 ; v1(-489.29,245.99) -418.3,175 FJ5.3@-410,175 ; -465.14,221.84 ccw(c-410,276.98) FJ5.3@-410,199 ; -448.07,204.77 ccw(c-410,242.84) FJ5.3@-410,189 ; -445.1,201.8 cw(c-471.9,175) FJ5.3@-434,175
  Bottom Layer w10: v1@-1276.9,862.39 ccw(c-1302.51,836.78) -1302.51,872.99 ccw(c-1302.51,909.21) v1@-1276.9,883.6 ; v1(-1266.29,872.99) -1608.29,872.99 -1674.29,806.99 -1719.29,806.99 -1748.29,777.99 -1748.29,656.99 -1697.29,605.99 -1697.29,476.99 -1633.29,412.99 -1579.02,412.99 -1451.02,284.99 -528.29,284.99 v1(-489.29,245.99) ; v1@-504.29,245.99 ccw(c-540.51,245.99) -514.9,271.6 ccw(c-489.29,297.21) v1@-489.29,260.99
NetFJ5_5: FJ5.5 FU4.32 | length 2045.7
  Top Layer w10: v1@-1165.9,261.6 ccw(c-1191.51,287.21) -1155.29,287.21 ccw(c-1119.08,287.21) v1@-1144.69,261.6 ; v1(-1155.29,250.99) -1155.29,437.28 -1239,520.99 -1239,596.28 -1163.29,671.99 -1163.29,825.99 -1165.61,828.31 -1165.61,881.31 -1242.29,957.99 -1242.29,1009.99 -1229.29,1022.99 -1229.29,1119.39 -1200.18,1148.5 FU4.32@-1121.18,1148.5 ; FU4.32@-1143.3,1145.08 ccw(c-1151.57,1136.81) -1151.57,1148.5 ccw(c-1151.57,1160.19) FU4.32@-1143.3,1151.93
  Bottom Layer w10: v1(-1155.29,250.99) -585.99,250.99 FJ5.5@-510,175 ; v1@-1144.69,240.39 cw(c-1119.08,214.78) -1119.08,250.99 cw(c-1119.08,287.21) v1@-1144.69,261.6 ; FJ5.5@-534,175 ccw(c-591.94,175) -550.97,215.97 ccw(c-510,256.94) FJ5.5@-510,199 ; FJ5.5@-524,175 ccw(c-557.8,175) -533.9,198.9 ccw(c-510,222.8) FJ5.5@-510,189